# Altium PCB RBP-UPS_Power_V1.2.PcbDoc (part 1 of 2)
Units mil, origin at the board's own origin, x right, y up, seen from the top; angles counter-clockwise.
Board outline 3346.46 x 2204.72 mil, 4 copper layers (Top Layer, GND, PWR, Bottom Layer), stack 23.756 mil thick; 146 components, 97 nets, 445 pads, 442 vias.
Unrouted connection lines stored in the file: 91.
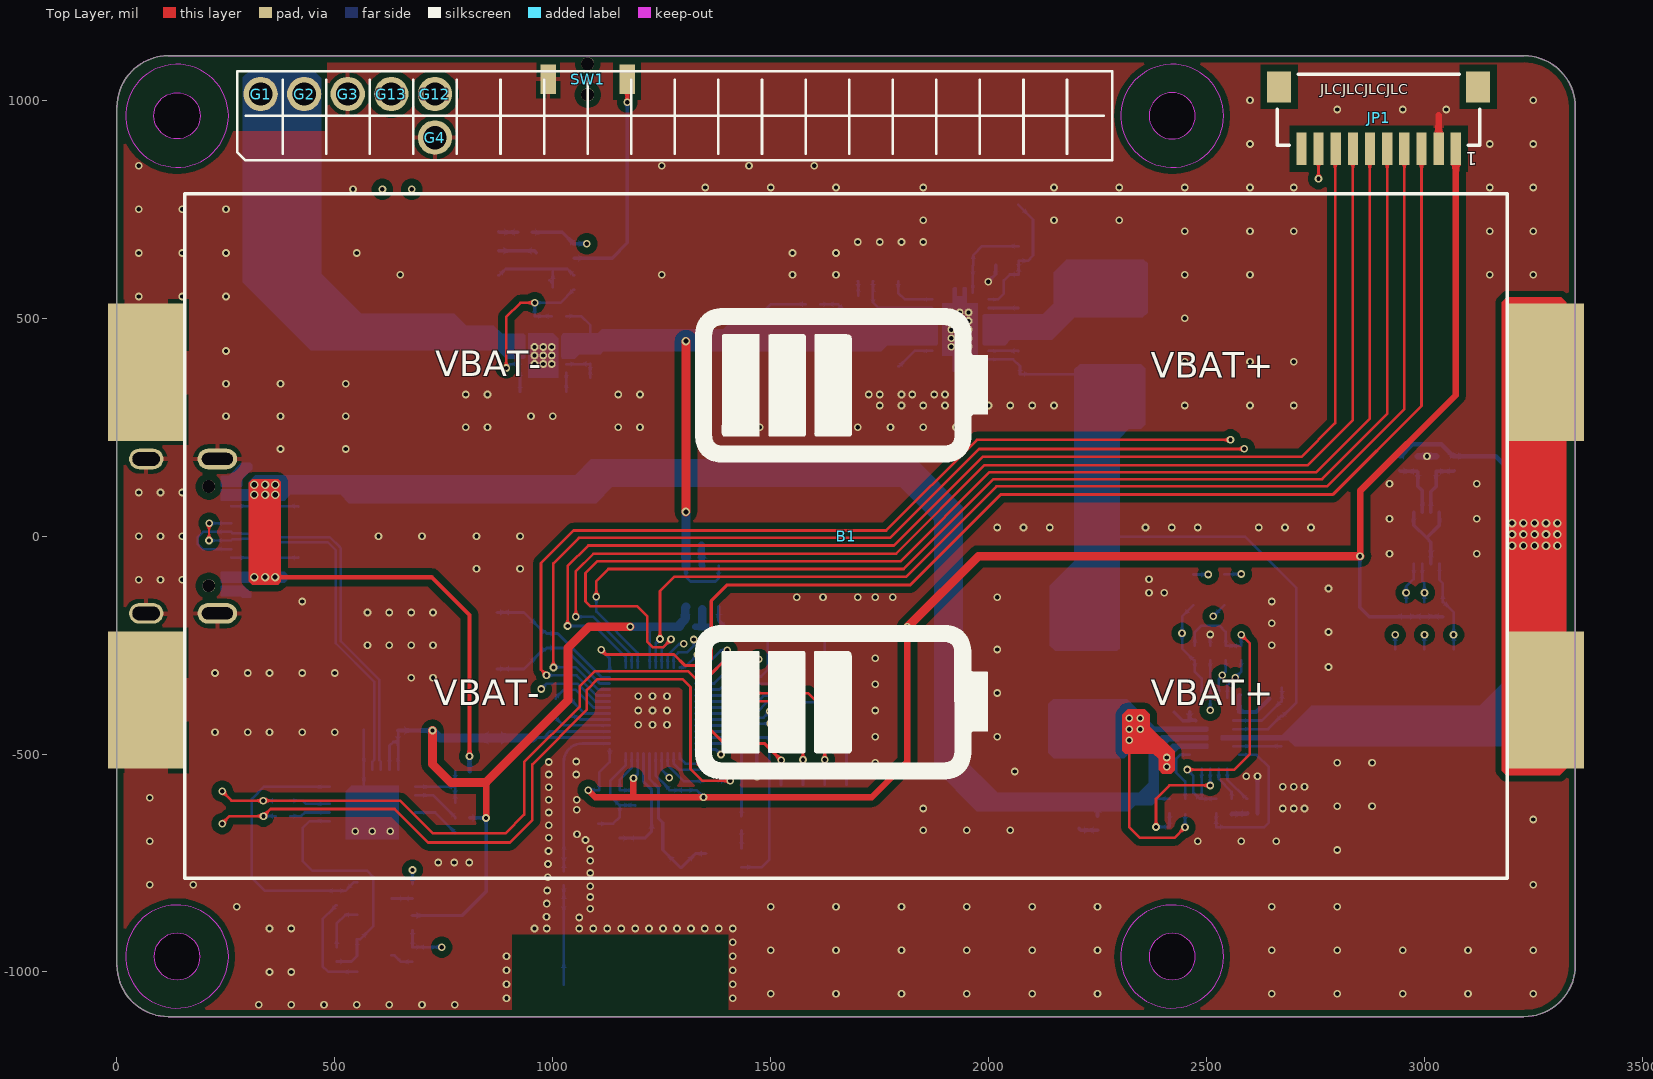
[diagram p0: Top Layer view]
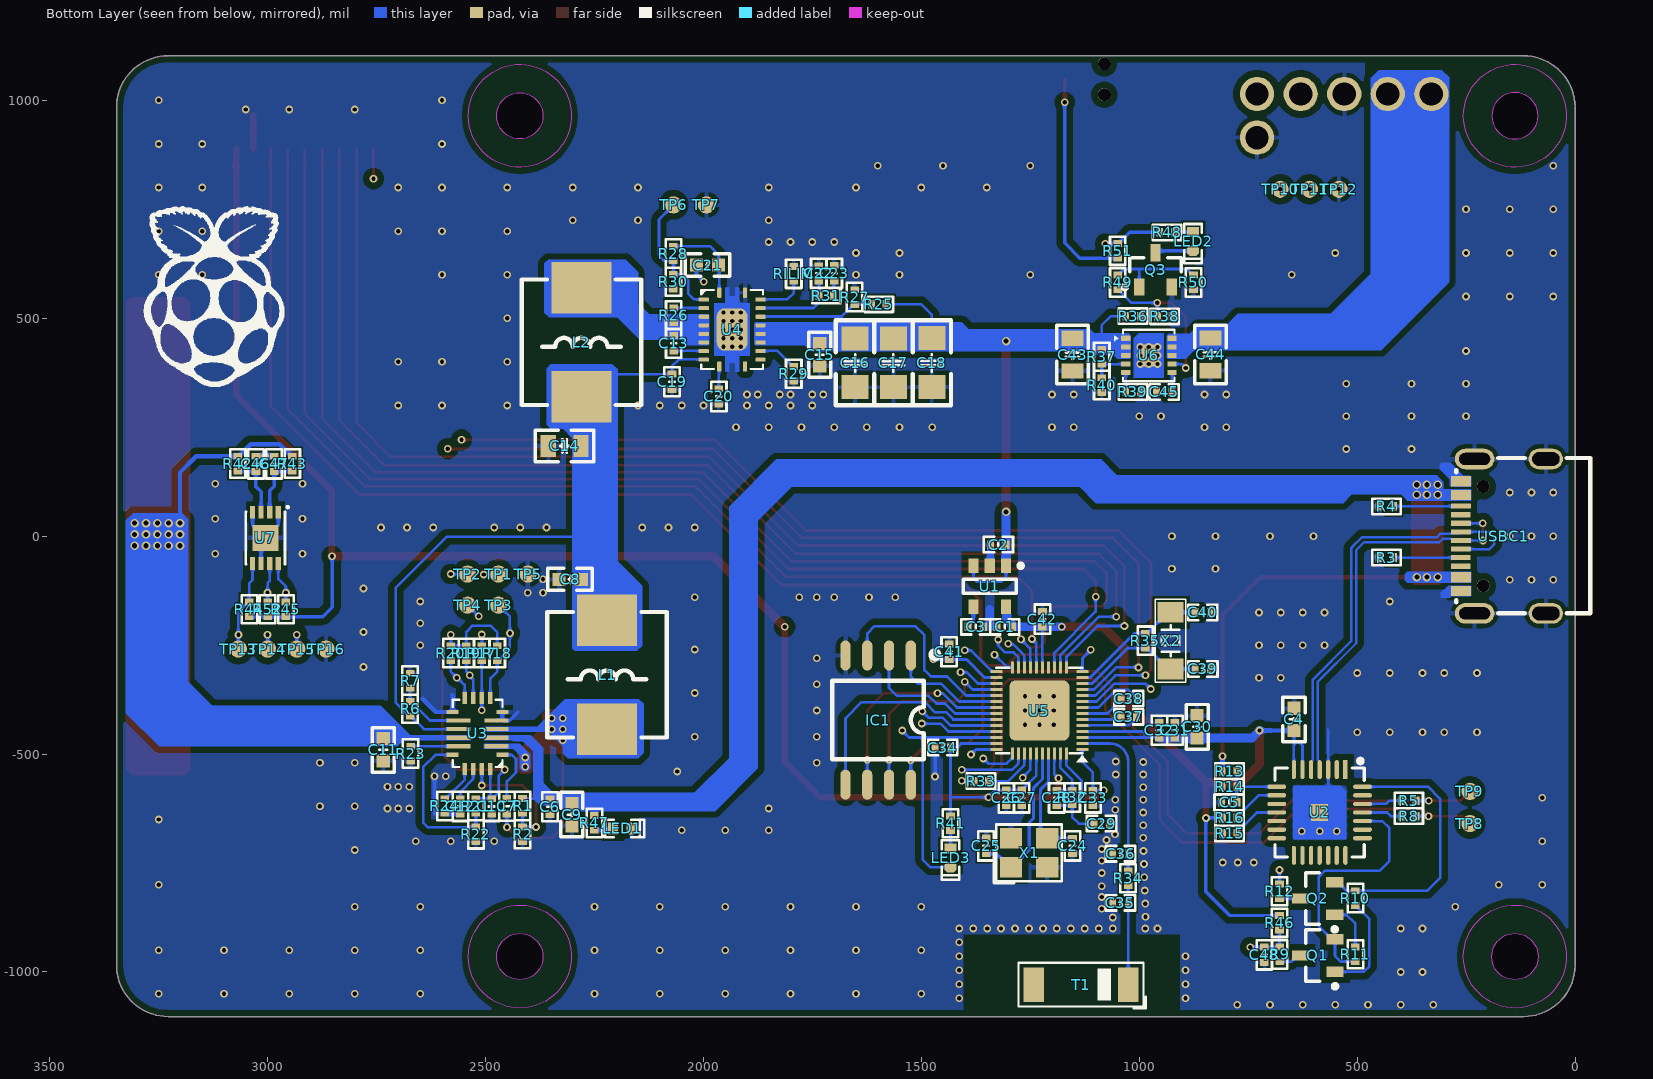
[diagram p1: Bottom Layer view, seen from below]
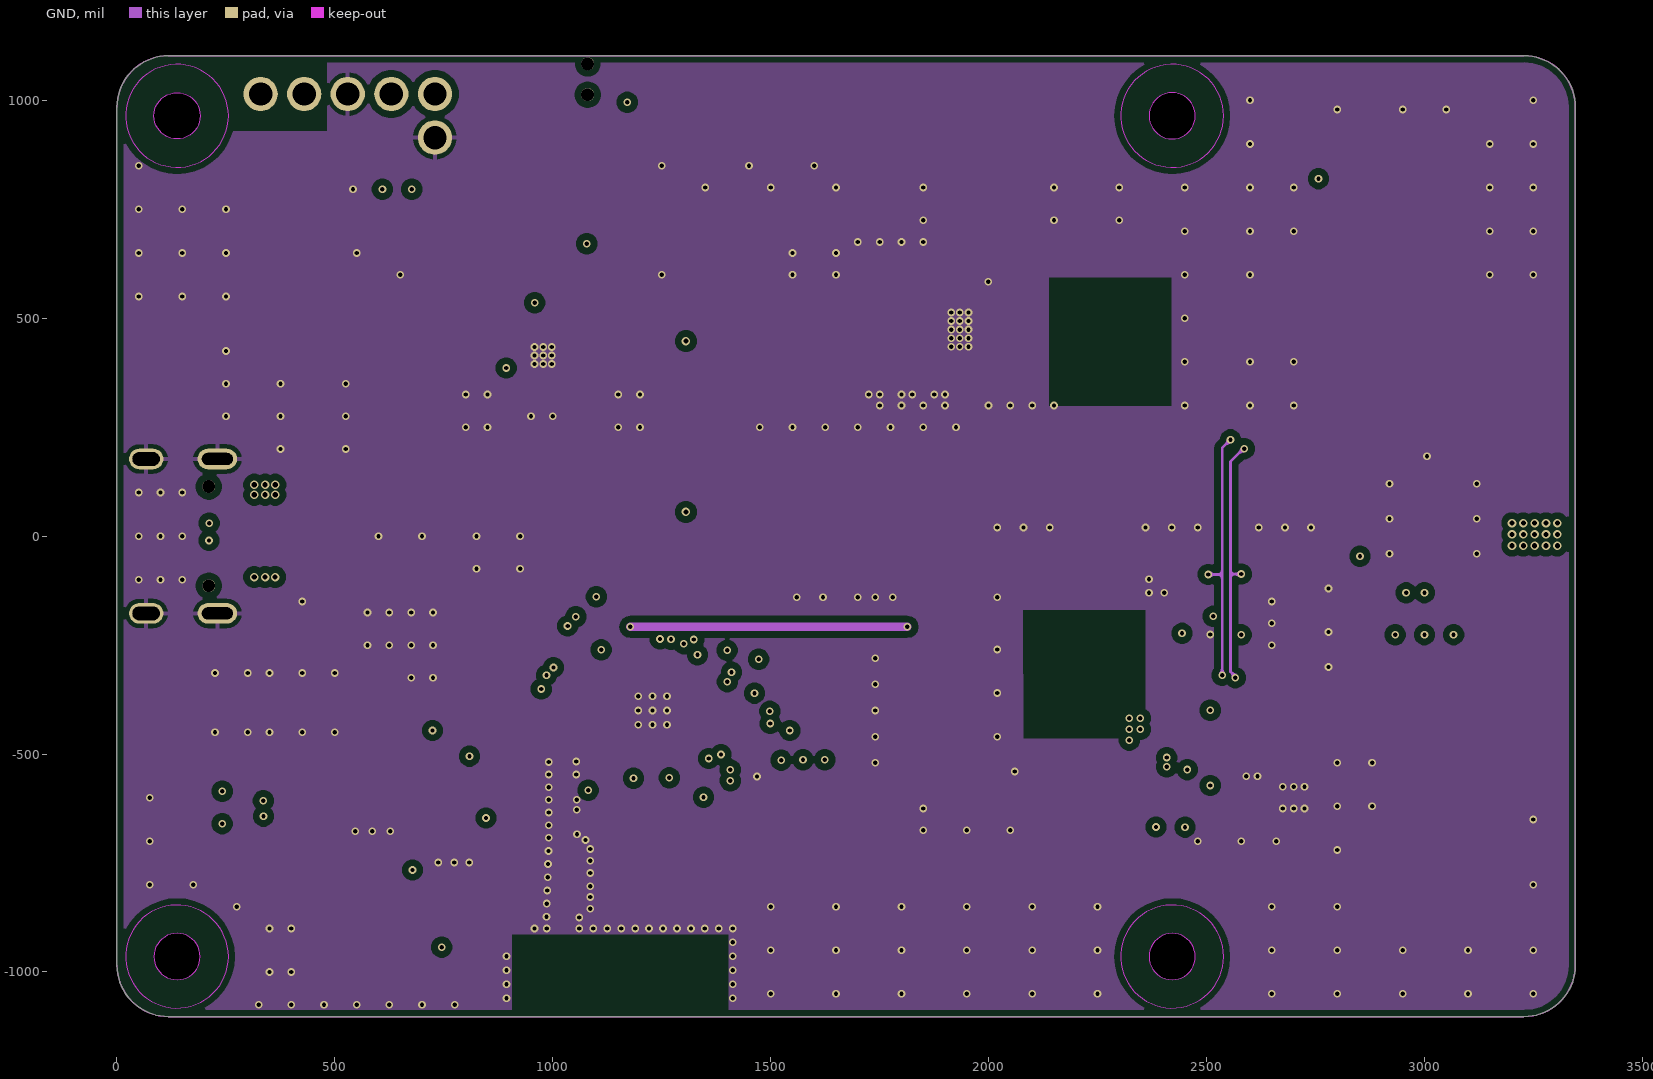
[diagram p2: GND]
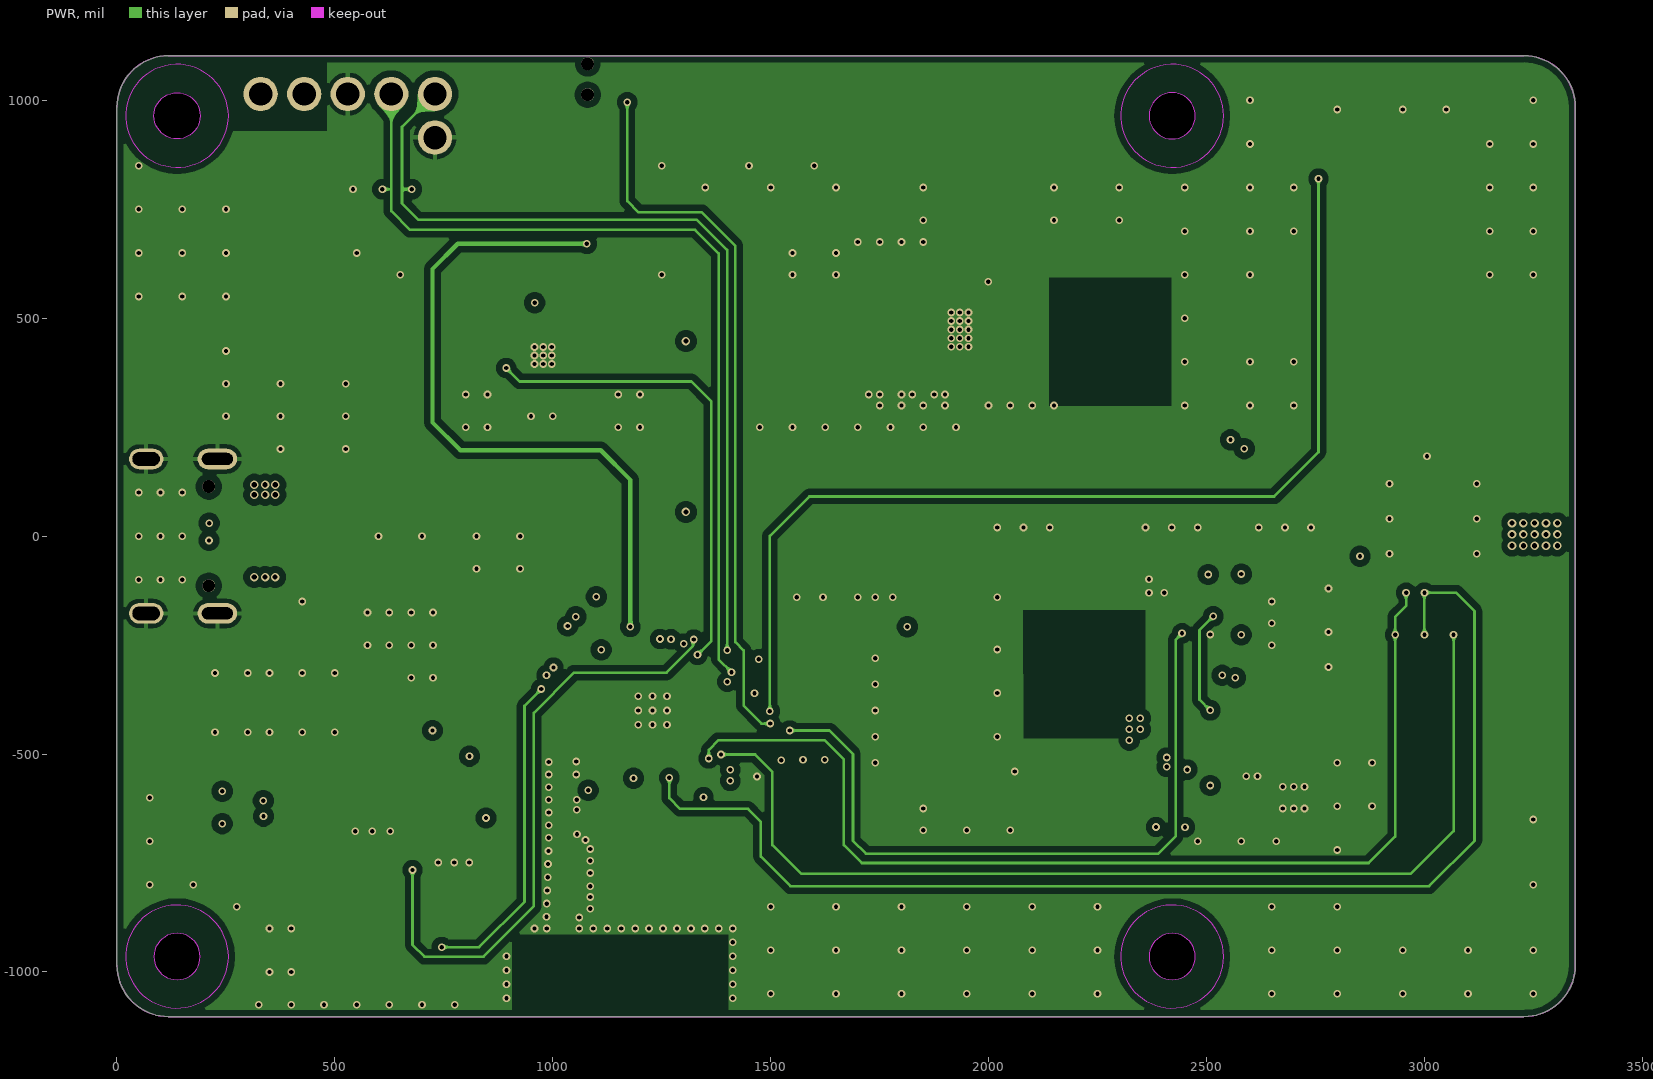
[diagram p3: PWR]
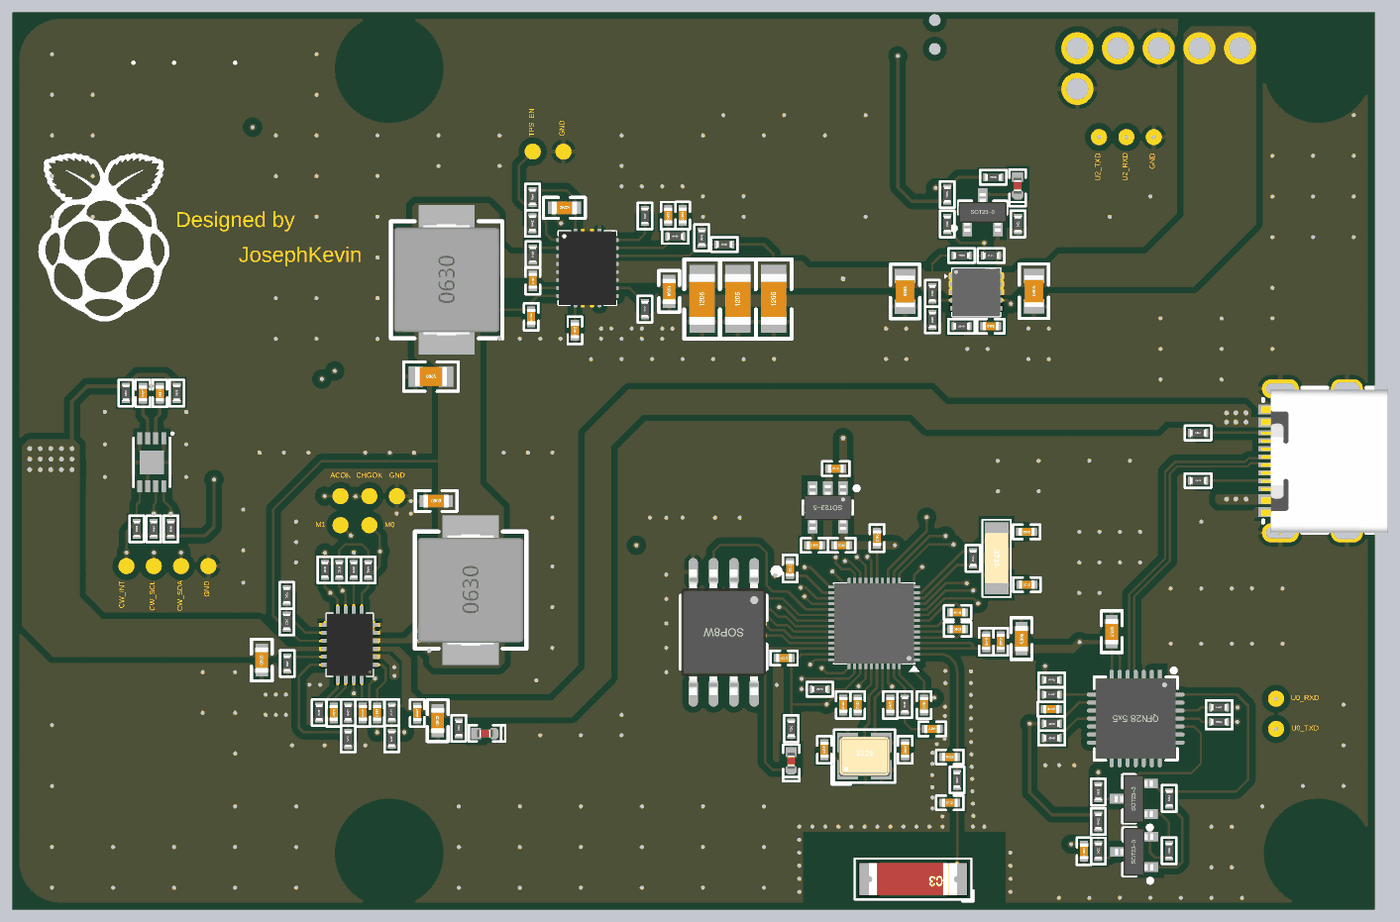
[diagram p5: 3D render of the assembled board from below, using the file's embedded part models]

## Layer stack, top to bottom
Top Solder: solder mask 0.4, Solder Resist, Dk 3.5
Top Layer: signal copper 1.4
Dielectric 2: prepreg 2.8, PP-006, Dk 4.1
GND: signal copper 1.378
Dielectric 1: dielectric 12.6, FR-4, Dk 4.8
PWR: signal copper 1.378
Dielectric 3: prepreg 2.8, PP-006, Dk 4.1
Bottom Layer: signal copper 1.4
Bottom Solder: solder mask 0.4, Solder Resist, Dk 3.5

## Board outline
0,-984.25 0,984.25 cw(c118.11,984.25) 118.11,1102.36 3228.35,1102.36 cw(c3228.35,984.25) 3346.46,984.25 3346.46,-984.25 cw(c3228.35,-984.25) 3228.35,-1102.36 118.11,-1102.36 cw(c118.11,-984.25)
cut-out: 2368.11,-964.57 ccw(c2421.26,-964.57) 2421.26,-1017.72 ccw(c2421.26,-964.57) 2474.41,-964.57 ccw(c2421.26,-964.57) 2421.26,-911.42 ccw(c2421.26,-964.57)
cut-out: 2368.11,964.57 ccw(c2421.26,964.57) 2421.26,911.42 ccw(c2421.26,964.57) 2474.41,964.57 ccw(c2421.26,964.57) 2421.26,1017.72 ccw(c2421.26,964.57)
cut-out: 84.65,-964.57 ccw(c137.8,-964.57) 137.8,-1017.72 ccw(c137.8,-964.57) 190.94,-964.57 ccw(c137.8,-964.57) 137.8,-911.42 ccw(c137.8,-964.57)
cut-out: 137.8,911.42 cw(c137.8,964.57) 84.65,964.57 cw(c137.8,964.57) 137.8,1017.72 cw(c137.8,964.57) 190.94,964.57 cw(c137.8,964.57)

## Design rules (kind name [scope] priority, off if disabled: settings)
Clearance InPolygon [InPolygon] p1: gap=15 ignorepadtopadclearanceinfootprint=TRUE
Clearance [All] p2: gap=6 ignorepadtopadclearanceinfootprint=TRUE
DiffPairsRouting [All] p1: maxlimit=10 minlimit=6 mostfreqgap=6 toplayer_minwidth=5.59 toplayer_maxwidth=5.59 toplayer_prefwidth=5.59 midlayer1_minwidth=4.84 midlayer1_maxwidth=4.84 midlayer1_prefwidth=4.84 midlayer2_minwidth=4.84 midlayer2_maxwidth=4.84 midlayer2_prefwidth=4.84 bottomlayer_minwidth=5.59 bottomlayer_maxwidth=5.59 bottomlayer_prefwidth=5.59 maxuncoupledlength=500
HoleToHoleClearance [All] p1: gap=0 allowstackedmicrovias=TRUE
MinimumSolderMaskSliver [All] p1: minsoldermaskwidth=0
PolygonConnect PolygonConnect_1 [HasFootprint('18650*2')] p1: thpad.connectstyle=Relief thpad.reliefconductorwidth=100 thpad.reliefentries=4 thpad.polygonreliefangle="90 Angle" thpad.airgapwidth=10 smdpad.connectstyle=Relief smdpad.reliefconductorwidth=100 smdpad.reliefentries=4 smdpad.polygonreliefangle="90 Angle" smdpad.airgapwidth=10 via.connectstyle=Direct via.reliefconductorwidth=10 via.reliefentries=4 via.polygonreliefangle="90 Angle" via.airgapwidth=10
PolygonConnect [All] p2: thpad.connectstyle=Relief thpad.reliefconductorwidth=10 thpad.reliefentries=4 thpad.polygonreliefangle="90 Angle" thpad.airgapwidth=10 smdpad.connectstyle=Relief smdpad.reliefconductorwidth=10 smdpad.reliefentries=4 smdpad.polygonreliefangle="90 Angle" smdpad.airgapwidth=10 via.connectstyle=Direct via.reliefconductorwidth=10 via.reliefentries=4 via.polygonreliefangle="90 Angle" via.airgapwidth=10
RoutingVias [All] p1: holewidth=9.84 width=17.72 viastyle="Through Hole" minholewidth=9.84 minwidth=17.72 maxholewidth=23.62 maxwidth=31.5
SilkToSilkClearance [All] p1: silktosilkclearance=0
SilkToSolderMaskClearance [IsPad] p1: minsilkscreentomaskgap=0 clearancetoexposedcopper=TRUE
SolderMaskExpansion [IsVia] p1: expansion=4 istentingtop=TRUE useseparateexpansions=TRUE expansionbottom=4 istentingbottom=TRUE
Width [All] p1: maxlimit=50 minlimit=6 preferedwidth=6
25 further rules are at their usual default settings.

## Classes and differential pairs
component class CW2015: B1 C46 C47 R42 R43 R44 R45 R52 TP13 TP14 TP15 TP16 U7
component class OVP_OCP: C43 C44 C45 R36 R37 R38 R39 R40 U6
component class MCU: C24 C25 C26 C27 C28 C29 C30 C31 C32 C33 C34 C35 C36 C37 C38 C39 C40 C41 C42 C48 IC1 LED2 LED3 Q3 R32 R33 R34 R35 R41 R46 R48 R49 R50 R51 SW1 T1 TP8 TP9 TP10 TP11 TP12 U5 X1 X2
component class Connector: C1 C2 C3 C4 C5 G1 G2 G3 G4 G12 G13 JP1 LED1 Q1 Q2 R3 R4 R5 R8 R9 R10 R11 R12 R13 R14 R15 R16 R47 U1 U2 USBC1
component class Boost: C13 C14 C15 C16 C17 C18 C19 C20 C21 C22 C23 L2 R25 R26 R27 R28 R29 R30 R31 RILIM TP6 U4
component class BatteryCharge: C6 C7 C8 C9 C10 C11 C12 L1 R1 R2 R6 R7 R17 R18 R19 R20 R21 R22 R23 R24 TP1 TP2 TP3 TP4 TP5 U3
differential pair USB_D: +USB_D_P -USB_D_N

## Components (designator, comment, footprint, x,y, rotation, side; value= is the part's Value field where it differs from the comment)
B1 "18650_Battery" 18650*2 1672.8,0 r180 top locked
C1 "1uF/16V" C0402_L 1308.72,-208 r0 bottom
C2 "1uF/16V" C0402_L 1323.19,-19.37 r180 bottom
C3 "0.1uF/16V" C0402_L 1375.28,-208 r180 bottom
C4 "10uF/16V" C0603_L 645,-420.41 r270 bottom
C5 "1uF/16V" C0402_L 793.71,-611 r180 bottom
C6 "1uF/25V" C0402_L 2352.08,-620.61 r90 bottom
C7 "0.1uF/25V" C0402_L 2450.89,-619.92 r90 bottom
C8 "22uF/10V" C0603_L 2305.92,-99.03 r180 bottom
C9 "10uF/25V" C0603_L 2302,-639 r90 bottom
C10 "1uF/25V" C0402_L 2486.11,-620.17 r90 bottom
C11 "22uF/10V" C0603_L 2734.58,-490.31 r90 bottom
C12 "0.1uF/25V" C0402_L 2557.53,-620.1 r270 bottom
C13 "0.1uF/50V" C0402_L 2068.21,442.75 r270 bottom
C14 "10uF/16V" C0805_L 2318.4,207 r180 bottom
C15 "1uF/50V" C0603_L 1733,416.41 r90 bottom
C16 "22uF/25V" C1206_L 1652,396.91 r90 bottom
C17 "22uF/25V" C1206_L 1564,396.91 r90 bottom
C18 "22uF/25V" C1206_L 1476,397.12 r90 bottom
C19 "0.1uF/50V" C0402_L 2072,354.29 r90 bottom
C20 "47nF/50V" C0402_L 1964.65,320.51 r90 bottom
C21 "2.2uF/16V" C0603_L 1990.59,622 r180 bottom
C22 "47pF/50V" C0402_L 1735.35,602.93 r90 bottom
C23 "47nF/50V" C0402_L 1699.78,602.98 r90 bottom
C24 "10pF/50V" C0402_L 1153,-710.72 r270 bottom
C25 "10pF/50V" C0402_L 1351.33,-710.68 r90 bottom
C26 "1uF/25V" C0402_L 1304.99,-600.48 r90 bottom
C27 "0.1uF/50V" C0402_L 1269.65,-600.49 r90 bottom
C28 "3.3nF/6.3V" C0402_L 1189.35,-600.59 r90 bottom
C29 "10nF/6.3V" C0402_L 1086.32,-659.62 r180 bottom
C30 "10uF/16V" C0603_L 867,-437.41 r270 bottom
C31 "1uF/25V" C0402_L 918,-445.29 r270 bottom
C32 "0.1uF/50V" C0402_L 953.54,-445.25 r270 bottom
C33 "0.1uF/50V" C0402_L 1106.33,-600.59 r90 bottom
C34 "0.1uF/50V" C0402_L 1450.72,-485 r0 bottom
C35 "NC" C0402_L 1042.97,-841.21 r180 bottom
C36 "NC" C0402_L 1042.88,-728.66 r180 bottom
C37 "270pF/NC" C0402_L 1023.95,-414.47 r180 bottom
C38 "270pF/NC" C0402_L 1024.1,-372.94 r0 bottom
C39 "12pF/50V" C0402_L 853.83,-304.62 r0 bottom
C40 "12pF/50V" C0402_L 854.27,-174.84 r0 bottom
C41 "1uF/16V" C0402_L 1436,-265.29 r270 bottom
C42 "0.1uF/50V" C0402_L 1222,-190.29 r270 bottom
C43 "10uF/25V" C0805_L 1153,416.6 r90 bottom
C44 "10uF/25V" C0805_L 836.34,417.12 r90 bottom
C45 "0.1uF/50V" C0402_L 942.54,331.03 r180 bottom
C46 "1uF/16V" C0402_L 3026.67,165.71 r90 bottom
C47 "1uF/16V" C0402_L 2985,165.71 r270 bottom
C48 "1uF/35V" C0402_L 713,-960.71 r90 bottom
G1 "RBP_GPIO" PA100-A3 329.53,1014.57 r90 top
G2 "RBP_GPIO" PA100-A3 429.53,1014.57 r90 top
G3 "RBP_GPIO" PA100-A3 529.53,1014.57 r90 top
G4 "RBP_GPIO" PA100-A3 729.53,914.57 r90 top
G12 "RBP_GPIO" PA100-A3 729.53,1014.57 r90 top
G13 "RBP_GPIO" PA100-A3 629.53,1014.57 r90 top
IC1 "W25Qxx" SOP8W_L 1599,-422 r270 bottom
JP1 "CON-10P" SH1.0-WT-10P 2895,960 r180 top
L1 "1.0uH/5A" L-SMD-0630 2221,-318 r90 bottom
L2 "1.2uH/5A" L-SMD-0630 2280,445 r90 bottom
LED1 "green" LED0402 2185.8,-670.69 r180 bottom
LED2 "yellow" LED0402 876.43,676.38 r270 bottom
LED3 "green" LED0402 1433,-738.12 r270 bottom
Q1 "SS8050" SOT23-3L 590,-962 r0 bottom
Q2 "SS8050" SOT23-3L 590.79,-831.37 r0 bottom
Q3 "SS8050" SOT23-3L 962.43,611.03 r90 bottom
R1 "21K/1%" R0402_L 2415.1,-618.96 r90 bottom
R2 "10K/1%" R0402_L 2415.09,-683.96 r90 bottom
R3 "5.1K/1%" R0402_L 432.73,-49 r180 bottom
R4 "5.1K/1%" R0402_L 432.73,68.23 r180 bottom
R5 "0R/1%" R0402_L 381.25,-606.83 r180 bottom
R6 "26.5K/1%" R0402_L 2673,-396 r270 bottom
R7 "10K/1%" R0402_L 2673,-331.27 r90 bottom
R8 "0R/1%" R0402_L 381.21,-642.34 r180 bottom
R9 "0R/1%" R0402_L 677.77,-959.82 r90 bottom